# Altium PCB TIDA-01576_ADS8686S_ISO_Interface.PcbDoc (part 2 of 4) (continued)
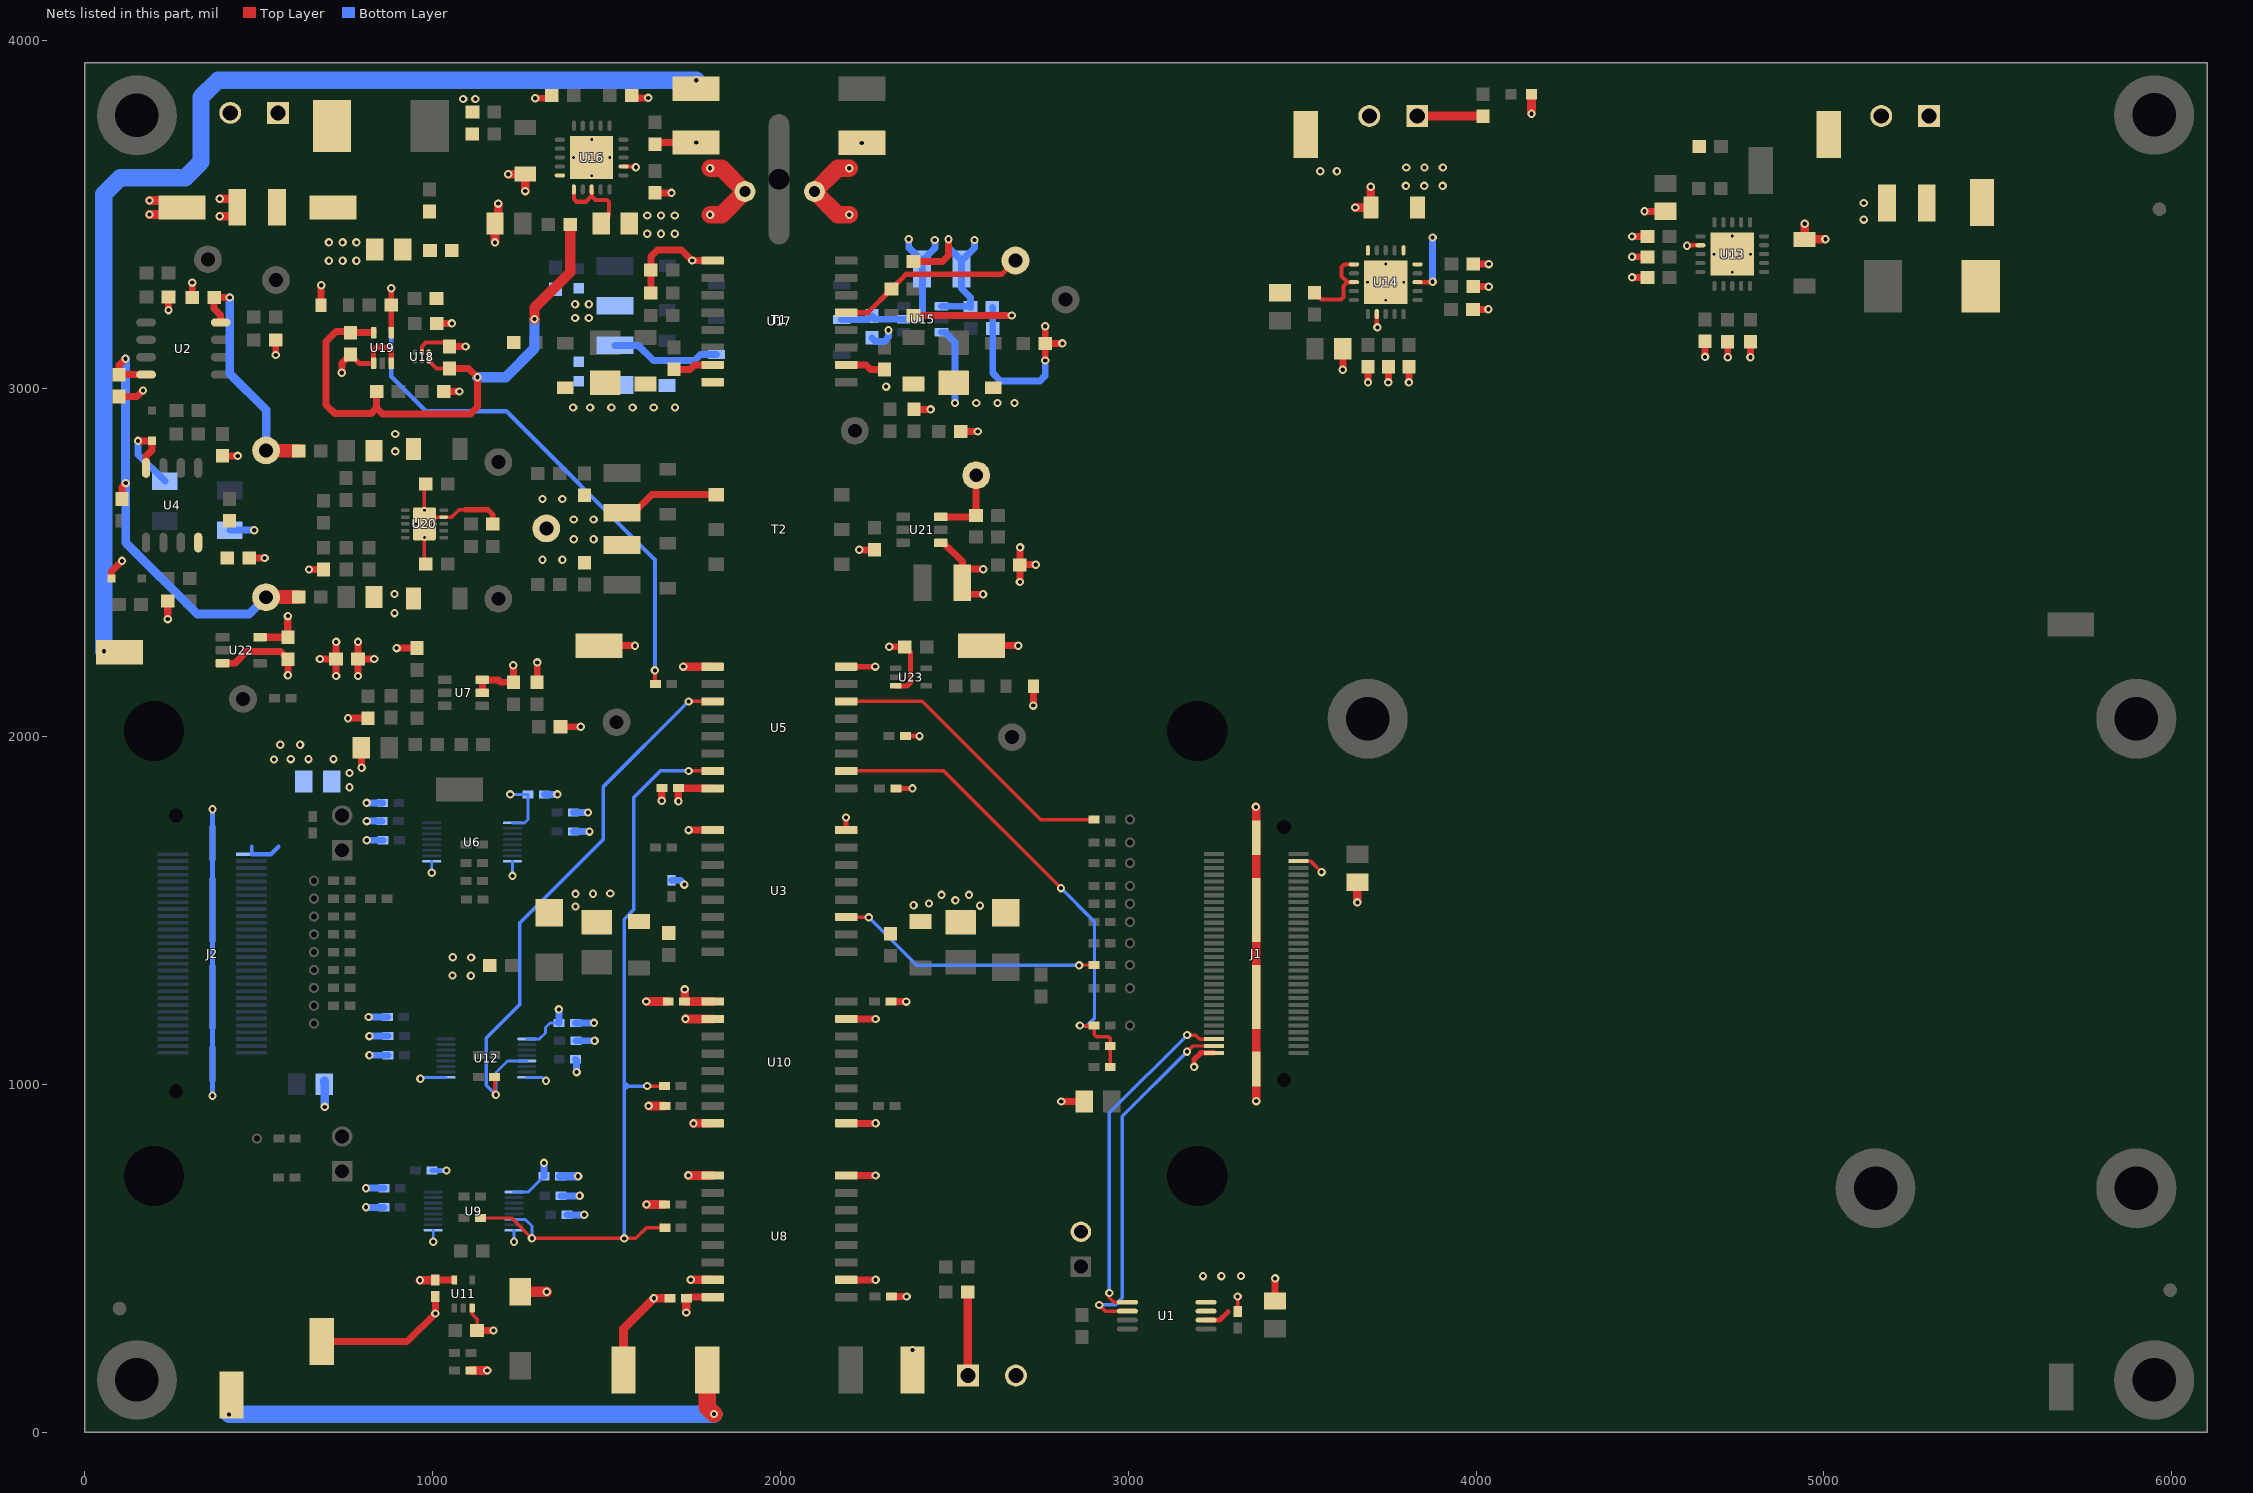
[diagram p4: the nets of this part, all layers, seen from the top]
## Part data (continued)
D12 D13: library part MBR0520LT1G, "Diode, Schottky, 20V, 0.5A, SOD-123", Manufacturer="Diodes Inc", Supplier Part Number 1=B0520LW-FDICT-ND, Value1=0.5A, Value2=0.385V, ComponentLink1Description="Datasheet link", ComponentLink1URL=http://www.onsemi.com/pub_link/Collateral/MBR0520LT1-D.PDF, CompType=Diode, Io_A=0.5, LatestRevisionDate=2013-12-18, MountType=SMT, PackageReference=SOD-123, PartNumber=B0520LW-7-F, Published=2008-06-26, Publisher="Texas Instruments", RJC_CperW=150, RoHS=Y, Supplier 1=Digi-Key, TJmax_C=125, Type=Schottky, U/M=EA, Vf_V=0.385, Vr_V=20
FID1 FID2 FID3 FID4 FID5 FID6: "Fiducial mark.  There is nothing to buy or mount.", Manufacturer=N/A, ClassName=FiducialMark, CompType=Fiducial, LatestRevisionDate=2015-06-01, LatestRevisionNote="Added Alternate PartNumber and Alternate Manufacturer parameters to appropriate components.", MountType=N/A, PackageReference=N/A, PartNumber=N/A, Publisher="Texas Instruments", SymbolCreator=codlsc, SymbolVersion=2009-11-4
H1 H2 H3 H4 H5 H6 H7 H8: "MACHINE SCREW PAN PHILLIPS 4-40", Manufacturer="B&F Fastener Supply", Supplier Part Number 1=H703-ND, ComponentLink1Description="Datasheet Link", ComponentLink1URL=http://www.fasnetdirect.com/refguide/Machinepancombo.pdf, CompType=Standoff, LatestRevisionDate=2015-08-24, MountType=TH, PackageReference="Machine Screw, 4-40, 1/4\"", PartNumber="PMSSS 440 0025 PH", Publisher="Texas Instruments", RoHS=Y, Supplier 1=Digi-Key, SymbolCreator=a0412235, SymbolVersion=2013-06-24
H9 H10 H11 H12: "3/16 Hex Female Standoff", Manufacturer=Keystone, Supplier Part Number 1=36-1891-ND, ComponentLink1Description="Datasheet Link", ComponentLink1URL=http://www.keyelco.com/product-pdf.cfm?p=4272, CompType=Standoff, LatestRevisionDate=2015-08-24, MountType=N/A, PackageReference="3/16 Hex Female Standoff", PartNumber=1891, Publisher="Texas Instruments", RoHS=Y, Supplier 1=Digi-Key, Supplier 2=Mouser, Supplier 3=Farnell, Supplier Part Number 2=534-1891, Supplier Part Number 3=1226570, SymbolCreator=a0412235, SymbolVersion=2013-06-24
H13 H14 H15 H16: "HEX STANDOFF 4-40 ALUMINUM 1/2\"", Manufacturer=Keystone, Supplier Part Number 1=36-1893-ND, ComponentLink1Description="Datasheet Link", ComponentLink1URL=http://keyelco.com/userAssets/file/M65p75.pdf, CompType=Standoff, LatestRevisionDate=2017-05-23, MountType=N/A, PackageReference="4-40 HEX Aluminum standoff 0.500 inches", PartNumber=1893, Publisher="Texas Instruments", RoHS=Y, Supplier 1=Digi-Key, Supplier 2=Newark, Supplier 3=Mouser, Supplier Part Number 2=01M9948, Supplier Part Number 3=534-1893, SymbolCreator=a0412235, SymbolVersion=2013-06-24
H21 H22 H23 H24: "ROUND STANDOFF M3 STEEL 5MM", Manufacturer="Wurth Elektronik", Supplier Part Number 1=732-5272-1-ND, ComponentLink1Description="Datasheet Link", ComponentLink1URL=http://katalog.we-online.de/em/datasheet/9774050360R.pdf, CompType=Standoff, LatestRevisionDate=2015-08-24, MountType=SMT, PackageReference="ROUND STANDOFF M3 STEEL 5MM", PartNumber=9774050360R, Publisher="Texas Instruments", RoHS=Y, Supplier 1=Digi-Key, Supplier 2=Mouser, Supplier 3=Farnell, Supplier Part Number 2=710-9774050360R, Supplier Part Number 3=2438004, SymbolCreator=a0412235, SymbolVersion=2013-06-24
J1: library part QTH-030-01-L-D-A, "Header(Shrouded), 19.7mil, 30x2, Gold, SMT", Manufacturer=Samtec, Supplier Part Number 1=SAM8185-ND, ComponentLink1Description="Datasheet Link", ComponentLink1URL=https://www.samtec.com/ftppub/cpdf/QTH-XXX-XX-X-D-XXX-MKT.pdf, CompType=Header, LatestRevisionDate=2015-07-08, MountType=SMT, PackageReference="Header (Shrouded), 19.7mil, 30x2, SMT", PartNumber=QTH-030-03-L-D-A, Publisher="Texas Instruments", RoHS=Y, Supplier 1=Digi-Key, SymbolCreator=Altium, SymbolVersion=2015-05-13, U/M=EA
J2: "Receptacle, 0.5 mm, 30x2, Gold, TH", Color=Black, Manufacturer=Samtec, Supplier Part Number 1=SAM8180-ND, ComponentLink1Description="Datasheet URL", ComponentLink1URL=http://www.samtec.com/ftppub/cpdf/QSH-XXX-01-X-D-XX-MKT.pdf, CompType=Receptacle, ContactFinish=Gold, Gender=Female, LatestRevisionDate=2017-04-12, MountType=SMT, Orientation=Vertical, PackageReference="Receptacle, 0.5 mm, 30x2, TH", PartNumber=QSH-030-01-L-D-A, PinCount=60, Pitch_mm=0.5, Publisher="Texas Instruments", RoHS=Y, Row_Count=2, RowSpacing_mm=5.73, Shrouded=N, Supplier 1=Digi-Key, Supplier 2=Newark, Supplier 3=Farnell, Supplier Part Number 2=19M9181, Supplier Part Number 3=1667876, SymbolCreator=Altium, SymbolVersion=2015-03-06
J3: "Header, 100mil, 2x1, Tin, TH", Color=Black, Current_A=3, Manufacturer="Sullins Connector Solutions", Supplier Part Number 1=S1012E-02-ND, Voltage_V=1800, Cert_UL=Y, ClassName=Header, ComponentLink1Description="Datasheet URL", ComponentLink1URL=http://www.sullinscorp.com/catalogs/77_PAGE108-109_.100_MALE_HDR.pdf, CompType=Header, ContactFinish=Tin, Gender=Male, Green_EU RoHS=Incomplete, Green_EU RoHS-2=Incomplete, Green_Lifecycle="Not Set", Green_REACh=Incomplete, LatestRevisionDate=2017-05-15, MountType=TH, Orientation=Vertical, PackageReference="Header, 2 PIN, 100mil, Tin", PartNumber=PEC02SAAN, PinCount=2, Pitch_mm=2.54, Publisher="Texas Instruments", RoHS=Y, Row_Count=1, Shrouded=N, Supplier 1=Digi-Key, SymbolCreator=a0412235, SymbolVersion=2013-10-31
J4 J5 J6 J7: library part CMP-0055341-1, "Terminal Block, 3.5 mm, 2x1, Tin, TH", Manufacturer=Molex, Supplier Part Number 1=WM7877-ND, CNHeader=FALSE, ComponentLink1Description="Datasheet URL", ComponentLink1URL=http://www.molex.com/pdm_docs/sd/393570002_sd.pdf, CompType="Terminal Block", CT=TRUE, Green_EU RoHS=Incomplete, Green_EU RoHS-2=Incomplete, Green_Lifecycle="Not Set", Green_REACh=Incomplete, LatestRevisionDate=26/05/2017, MountType=TH, PackageReference="Terminal Block, 3.5 mm, 2x1, TH", PartNumber=39357-0002, Publisher="Texas Instruments", RoHS=Y, Supplier 1=Digi-Key, Supplier 2=Newark, Supplier 3=Mouser, Supplier Part Number 2=72K2104, Supplier Part Number 3=538-39357-0002
J8 J9: library part CMP-0002337-1, "Header, 100mil, 2x1, Tin, TH", Color=Black, Current_A=3A, Manufacturer="Sullins Connector Solutions", Supplier Part Number 1=S1012E-02-ND, Voltage_V=1.8kV, Cert_UL=Y, ClassName=Header, CNHeader=TRUE, ComponentLink1Description="Datasheet URL", ComponentLink1URL=http://www.sullinscorp.com/catalogs/77_PAGE108-109_.100_MALE_HDR.pdf, CompType=Header, ContactFinish=Tin, CT=FALSE, Gender=Male, Green_EU RoHS=Incomplete, Green_EU RoHS-2=Incomplete, Green_Lifecycle="Not Set", Green_REACh=Incomplete, LatestRevisionDate=26/05/2017, MountType=TH, Orientation=Vertical, PackageReference="Header, 2 PIN, 100mil, Tin", PartNumber=PEC02SAAN, PinCount=2, Pitch_mm=2.54, Publisher="Texas Instruments", RoHS=Y, Row_Count=1, Shrouded=N, Supplier 1=Digi-Key
LBL1: library part THT-14-423-10, "Thermal Transfer Printable Labels, 0.650\" W x 0.200\" H - 10,000 per roll", Alternate Manufacturer=-, Manufacturer=Brady, Supplier Part Number 1=2065596, Alternate PartNumber=-, ClassName=Label, ComponentLink1Description="Web Page", ComponentLink1URL=http://www.bradyid.com/bradyid/pdpv/THT-14-423-10.html, CompType=Label, LatestRevisionDate=2012-07-31, LatestRevisionNote="Initial Version", MountType=N/A, Note="Size: 0.65\" x 0.20 \"", PackageReference="PCB Label 0.650\"H x 0.200\"W", PartNumber=THT-14-423-10, Publisher="Texas Instruments", RoHS=Y, Supplier 1=Farnell, Supplier 2=Newark, Supplier Part Number 2=97C5133, SymbolCreator=a0412235, SymbolVersion=2012-06-12
LED1: library part CMP-0080580-2, "LED, Green, SMD", Color=Green, Manufacturer=Lite-On, Power_TotalModule=76mW, Value1=0.076W, Value2=2.8V, Angle=130, ComponentLink1Description="Datasheet link", ComponentLink1URL=https://sps16.itg.ti.com/sites/KMS/crossdivteams/altium/docs/ComponentDatasheets/LTST-C193TGKT-5A.pdf, CompType=LED, Io_A=5mA, Ir_A=10µA, MountType=SMT, PackageReference=Body1.6x0.8mm, PartNumber=LTST-C193TGKT-5A, RoHS=Y, SizeArea_mm2=1.28, SizeAreaWB_mm2=4.68, SizeX_mm=1.6, SizeY_mm=0.8, SizeZ_mm=0.45, TJmax_C=80°C, Type=InGaN, Vf_V=2.8V, Vr_V=5V
Logo2: library part Pb-Free, LatestRevisionDate=2014-08-05, Published=2009-03-03, Publisher="Texas Instruments", SymbolCreator=a0412235, SymbolVersion=2011-08-22
Logo3: library part FCC_disclaimer, "FCC_disclaimer", LatestRevisionDate=2014-11-20, Published=2009-03-03, Publisher="Texas Instruments", SymbolCreator=codlsc, SymbolVersion=2011-08-22
Logo4: library part CMP-0074769-1, Lib Reference="WEEE logo", PartNumber="WEEE logo"
Logo5: library part ESD_Susceptible, "ESD Susceptible Symbol", LatestRevisionDate=2016-03-21, Published=2009-03-03, Publisher="Texas Instruments", SymbolCreator=a0412235, SymbolVersion=2011-08-22
R1 R43 R44 R46 R47 R51 R52 R53 R54 R56 R59 R60 R61 R62 R63 R64: "RES, 10.0 k, 1%, 0.1 W, 0402", Manufacturer=Panasonic, Power_W=0.1, Supplier Part Number 1=P10.0KLCT-ND, TempCo="100 ppm/C", Tolerance_%=1, Value1=1%, Value2=0.1W, Value_Code=10k0, ValueDisplayed=10.0k, AEC Category=Q200, AEC Qualified=?, ComponentLink1Description="Datasheet link", ComponentLink1URL=http://industrial.panasonic.com/www-data/pdf/AOA0000/AOA0000CE2.pdf, CompType=Resistor, EIA_Code=E96, MountType=SMT, PackageReference=0402, PartNumber=ERJ-2RKF1002X, Published=2008-06-26, Publisher="Texas Instruments", Res_ohm=10000, RoHS=Y, Supplier 1=Digi-Key, Supplier 2=Mouser, Supplier Part Number 2=667-ERJ-2RKF1002X, SymbolVersion=2009-05-29, Technology="Thick Film", U/M=EA, VDC_V=50
  R1 R43 R44 R46 R47 R51 R52 R53 R54 R59 R60 R61 R62 R63 R64: LatestRevisionDate=2015-10-23
  R56: LatestRevisionDate=2015-08-22
R2 R35: library part CMP-0026658-1, "RES, 10.0 k, 1%, 0.1 W, 0402", Manufacturer=Panasonic, Power_W=100mW, Supplier Part Number 1=P10.0KLCT-ND, TempCo="100 ppm/C", Tolerance_%=1%, Value2=0.1W, Value_Code=10k0, ValueDisplayed=10.0k, AEC Category=Q200, AEC Qualified=?, ComponentLink1Description="Datasheet link", ComponentLink1URL=http://industrial.panasonic.com/www-data/pdf/AOA0000/AOA0000CE2.pdf, CompType=Resistor, EIA_Code=E96, LatestRevisionDate=2017-03-09, MountType=SMT, PackageReference=0402, PartNumber=ERJ-2RKF1002X, Published=2008-06-26, Publisher="Texas Instruments", Res_ohm=10k, RoHS=Y, SizeArea_mm2=0.5, SizeX_mm=1, SizeY_mm=0.5, SizeZ_mm=0.6, Supplier 1=Digi-Key, Supplier 2=Newark, Supplier 3=Mouser, Supplier Part Number 2=90W2949, Supplier Part Number 3=667-ERJ-2RKF1002X, Technology="Thick Film", U/M=EA, Value1=1%, VDC_V=50V
R3 R4 R5 R6 R7 R9 R10 R11 R12 R14 R15 R16 R17 R18 R19 R20 R21 R22 R28 R29 R30 R31 R32 R33 R34 R49 R57 R67 R97 R98 R132 R133 R135: "RES, 0, 5%, 0.063 W, 0402", Manufacturer=Panasonic, Power_W=0.063, Supplier Part Number 1=P0.0JCT-ND, TempCo="600 ppm/C", Tolerance_%=5, Value1=5%, Value2=0.063W, Value_Code=0000, ValueDisplayed=0, AEC Category=Q200, AEC Qualified=?, ComponentLink1Description="Datasheet link", ComponentLink1URL=http://www.panasonic.com/industrial/components/pdf/AOA0000CE1.pdf, CompType=Resistor, EIA_Code=E24, LatestRevisionDate=2015-10-23, MountType=SMT, PackageReference=0402, PartNumber=ERJ-2GE0R00X, Published=2008-06-26, Publisher="Texas Instruments", Res_ohm=0, RoHS=Y, Supplier 1=Digi-Key, Supplier 2=Mouser, Supplier 3=Farnell, Supplier Part Number 2=667-ERJ-2GE0R00X, Supplier Part Number 3=2059190, SymbolVersion=2009-05-29, Technology="Thick Film", U/M=EA, VDC_V=50
R8 R84: "RES, 1.00Meg ohm, 1%, 0.1W, 0603", Manufacturer=Vishay-Dale, Power_W=0.1, Supplier Part Number 1=541-1.00MHCT-ND, TempCo="100 ppm/C", Tolerance_%=1, Value1=1%, Value2=0.1W, Value_Code=1M00, ComponentLink1Description="Datasheet link", ComponentLink1URL=http://www.vishay.com/docs/20035/dcrcwe3.pdf, CompType=Resistor, EIA_Code=E96, LatestRevisionDate=2014-03-01, MountType=SMT, PackageReference=0603, PartNumber=CRCW06031M00FKEA, Published=2008-06-26, Publisher="Texas Instruments", Res_ohm=1000000, RoHS=Y, Supplier 1=Digi-Key, Supplier 2=Mouser, Supplier 3=Farnell, Supplier Part Number 2=71-CRCW0603-1.0M-E3, Supplier Part Number 3=1469746, SymbolVersion=2009-05-29, Technology="Thick Film", U/M=EA, VDC_V=75
R13 R85 R107 R111: "RES, 100 k, 1%, 0.1 W, 0603", Manufacturer="Yageo America", Power_W=0.1, Supplier Part Number 1=311-100KHRCT-ND, TempCo="200 ppm/C", Tolerance_%=1, Value1=1%, Value2=0.1W, Value_Code=100k, AEC Category=Q200, AEC Qualified=?, ComponentLink1Description="Datasheet link", ComponentLink1URL=http://www.yageo.com/pdf/Pu-RC0603_51_PbFree_L_2.pdf, CompType=Resistor, EIA_Code=E96, MountType=SMT, PackageReference=0603, PartNumber=RC0603FR-07100KL, Published=2008-06-26, Publisher="Texas Instruments", Res_ohm=100000, RoHS=Y, Supplier 1=Digi-Key, Supplier 2=Mouser, Supplier 3=Farnell, Supplier Part Number 2=603-RC0603FR-07100KL, Supplier Part Number 3=9238727, SymbolVersion=2009-05-29, Technology="Thick Film", U/M=EA, ValueDisplayed=100k, VDC_V=150
  R13 R85 R107: LatestRevisionDate=2015-10-07
  R111: Green_EU RoHS="Passed with Exemption", Green_EU RoHS-2=Passed, Green_Lifecycle=Active, Green_REACh=Passed, LatestRevisionDate=2017-06-13, SizeArea_mm2=1.28, SizeX_mm=1.6, SizeY_mm=0.8, SizeZ_mm=1
R23: "RES, 10.0 k, 1%, 0.1 W, 0603", Manufacturer=Vishay-Dale, Power_W=0.1, Supplier Part Number 1=541-10.0KHCT-ND, TempCo="100 ppm/C", Tolerance_%=1, Value1=1%, Value2=0.1W, Value_Code=10k0, ValueDisplayed=10.0k, ComponentLink1Description="Datasheet link", ComponentLink1URL=http://www.vishay.com/docs/20035/dcrcwe3.pdf, CompType=Resistor, EIA_Code=E96, LatestRevisionDate=2015-06-13, MountType=SMT, PackageReference=0603, PartNumber=CRCW060310K0FKEA, Published=2008-06-26, Publisher="Texas Instruments", Res_ohm=10000, RoHS=Y, Supplier 1=Digi-Key, Supplier 2=Mouser, Supplier 3=Farnell, Supplier Part Number 2=71-CRCW0603-10K-E3, Supplier Part Number 3=1469748, SymbolVersion=2009-05-29, Technology="Thick Film", U/M=EA, VDC_V=75
R24 R25 R39 R40 R42 R65 R66 R99 R101 R102 R104 R113 R114 R117 R118 R123 R124 R126 R127 R128 R129 R130 R131 R134: "RES, 0, 5%, 0.1 W, 0603", Manufacturer=Vishay-Dale, Power_W=0.1, Supplier Part Number 1=541-0.0GCT-ND, TempCo="200 ppm/C", Tolerance_%=5, Value1=5%, Value2=0.1W, Value_Code=0000, ValueDisplayed=0, ComponentLink1Description="Datasheet link", ComponentLink1URL=http://www.vishay.com/docs/20035/dcrcwe3.pdf, CompType=Resistor, EIA_Code=E24, MountType=SMT, PackageReference=0603, PartNumber=CRCW06030000Z0EA, Published=2008-06-26, Publisher="Texas Instruments", Res_ohm=0, RoHS=Y, Supplier 1=Digi-Key, Supplier 2=Mouser, Supplier 3=Farnell, Supplier Part Number 2=71-CRCW0603-0-E3, Supplier Part Number 3=1469739, SymbolVersion=2009-05-29, Technology="Thick Film", U/M=EA, VDC_V=75
  R24 R25 R40 R42 R65 R66 R99 R101 R102 R104 R113 R114 R127 R128 R129 R130 R131: LatestRevisionDate=2014-10-21
  R39: LatestRevisionDate=2015-03-06
  R117 R118 R123 R124 R126 R134: LatestRevisionDate=2014-12-16
R26 R86 R108 R112: "RES, 10.0k ohm, 1%, 0.1W, 0603", Manufacturer=Vishay-Dale, Power_W=0.1, Supplier Part Number 1=541-10.0KHCT-ND, TempCo="100 ppm/C", Tolerance_%=1, Value1=1%, Value2=0.1W, Value_Code=10k0, ComponentLink1Description="Datasheet link", ComponentLink1URL=http://www.vishay.com/docs/20035/dcrcwe3.pdf, CompType=Resistor, EIA_Code=E96, LatestRevisionDate=2013-10-22, MountType=SMT, PackageReference=0603, PartNumber=CRCW060310K0FKEA, Published=2008-06-26, Publisher="Texas Instruments", Res_ohm=10000, RoHS=Y, Supplier 1=Digi-Key, Supplier 2=Mouser, Supplier 3=Farnell, Supplier Part Number 2=71-CRCW0603-10K-E3, Supplier Part Number 3=1469748, SymbolVersion=2009-05-29, Technology="Thick Film", U/M=EA, VDC_V=75
R27 R87: library part RNCF0603TKY10K0, "RES, 10.0k ohm, 1%, 0.1W, 0603", Manufacturer="Stackpole Electronics Inc", Power_W=0.063, Supplier Part Number 1=541-10.0KHCT-ND, TempCo="5 ppm/C", Tolerance_%=0.01, Value1=0.01%, Value2=0.063W, Value_Code=10k0, ComponentLink1Description="Datasheet link", ComponentLink1URL=http://www.seielect.com/Catalog/SEI-RNCF.pdf, CompType=Resistor, LatestRevisionDate=2013-10-22, MountType=SMT, PackageReference=0603, PartNumber=CRCW060310K0FKEA, Published=2008-06-26, Publisher="Texas Instruments", Res_ohm=10000, RoHS=Y, Supplier 1=Digi-Key, SymbolVersion=2009-05-29, Technology="Thin Film", U/M=EA, VDC_V=50
R36: library part CMP-0026657-1, "RES, 1.00 k, 1%, 0.1 W, 0402", Manufacturer=Panasonic, Power_W=100mW, Supplier Part Number 1=P1.00KLCT-ND, TempCo="100 ppm/C", Tolerance_%=1%, Value2=0.1W, Value_Code=1k00, ValueDisplayed=1.00k, AEC Category=Q200, AEC Qualified=?, ComponentLink1Description="Datasheet link", ComponentLink1URL=http://industrial.panasonic.com/www-data/pdf/AOA0000/AOA0000CE2.pdf, CompType=Resistor, EIA_Code=E96, LatestRevisionDate=2017-03-09, MountType=SMT, PackageReference=0402, PartNumber=ERJ-2RKF1001X, Published=2008-06-26, Publisher="Texas Instruments", Res_ohm=1k, RoHS=Y, SizeArea_mm2=0.5, SizeX_mm=1, SizeY_mm=0.5, SizeZ_mm=0.6, Supplier 1=Digi-Key, Supplier 2=Newark, Supplier 3=Mouser, Supplier Part Number 2=64R5247, Supplier Part Number 3=667-ERJ-2RKF1001X, Technology="Thick Film", U/M=EA, Value1=1%, VDC_V=50V
R37 R38 R50 R58: library part CMP-0026992-3, "RES, 0, 5%, 0.1 W, AEC-Q200 Grade 0, 0402", Manufacturer=Panasonic, Power_W=100mW, Supplier Part Number 1=P0.0JCT-ND, TempCo="600 ppm/C", Tolerance_%=5%, Value2=0.1W, Value_Code=0000, ValueDisplayed=0, AEC Category=Q200, AEC Grade=0, AEC Qualified=Y, ComponentLink1Description="Datasheet link", ComponentLink1URL=https://industrial.panasonic.com/cdbs/www-data/pdf/RDA0000/AOA0000C301.pdf, CompType=Resistor, EIA_Code=E24, MountType=SMT, PackageReference=0402, PartNumber=ERJ-2GE0R00X, Res_ohm=0, RoHS=Y, SizeArea_mm2=0.5, SizeAreaWB_mm2=3, SizeX_mm=1, SizeY_mm=0.5, SizeZ_mm=0.6, Supplier 1=Digi-Key, Supplier 2=Newark, Supplier 3=Mouser, Supplier Part Number 2=65T8307, Supplier Part Number 3=667-ERJ-2GE0R00X, Technology="Thick Film", Value1=5%, VDC_V=50V
R41: "RES, 10.0, 0.1%, 0.1 W, 0603", Manufacturer=Bourns, Power_W=0.1, Supplier Part Number 1=CRT0603-BY-10R0ELFCT-ND, TempCo="25 ppm/C", Value1=0.1%, Value2=0.1W, Value_Code=10R0, ValueDisplayed=10.0, AEC Category=Q200, AEC Grade=N/A, AEC Qualified=N, ComponentLink1Description="Datasheet link", ComponentLink1URL=http://www.bourns.com/docs/Product-Datasheets/crt.pdf, CompType=Resistor, EIA_Code=E192, LatestRevisionDate=2016-10-13, MountType=SMT, PackageReference=0603, PartNumber=CRT0603-BY-10R0ELF, Published=2008-06-26, Publisher="Texas Instruments", Res_ohm=10, RoHS=Y, SizeArea_mm2=1.28, SizeX_mm=1.6, SizeY_mm=0.8, SizeZ_mm=1, Supplier 1=Digi-Key, Supplier 2=Mouser, Supplier 3=Farnell, Supplier Part Number 2=652-CRT0603BY10R0ELF, Supplier Part Number 3=2008309, SymbolVersion=2009-05-29, Technology="Thin Film", Tolerance_%=0.1, U/M=EA
R45: "RES, 51.1 k, 1%, 0.1 W, 0603", Manufacturer=Vishay-Dale, Power_W=0.1, Supplier Part Number 1=541-51.1KHCT-ND, TempCo="100 ppm/C", Tolerance_%=1, Value1=1%, Value2=0.1W, Value_Code=51k1, ValueDisplayed=51.1k, AEC Category=Q200, AEC Qualified=?, ComponentLink1Description="Datasheet link", ComponentLink1URL=http://www.vishay.com/docs/20035/dcrcwe3.pdf, CompType=Resistor, EIA_Code=E96, LatestRevisionDate=2016-10-13, MountType=SMT, PackageReference=0603, PartNumber=CRCW060351K1FKEA, Published=2008-06-26, Publisher="Texas Instruments", Res_ohm=51100, RoHS=Y, SizeArea_mm2=1.28, SizeX_mm=1.6, SizeY_mm=0.8, SizeZ_mm=1, Supplier 1=Digi-Key, Supplier 2=Mouser, Supplier 3=Farnell, Supplier Part Number 2=71-CRCW0603-51.1K-E3, Supplier Part Number 3=1469825, SymbolVersion=2009-05-29, Technology="Thick Film", U/M=EA, VDC_V=75
R48: "RES, 30.1 k, 1%, 0.1 W, 0603", Manufacturer=Vishay-Dale, Power_W=0.1, Supplier Part Number 1=541-30.1KHCT-ND, TempCo="100 ppm/C", Tolerance_%=1, Value1=1%, Value2=0.1W, Value_Code=30k1, ValueDisplayed=30.1k, AEC Category=Q200, AEC Qualified=?, ComponentLink1Description="Datasheet link", ComponentLink1URL=http://www.vishay.com/docs/20035/dcrcwe3.pdf, CompType=Resistor, EIA_Code=E96, LatestRevisionDate=2016-10-13, MountType=SMT, PackageReference=0603, PartNumber=CRCW060330K1FKEA, Published=2008-06-26, Publisher="Texas Instruments", Res_ohm=30100, RoHS=Y, SizeArea_mm2=1.28, SizeX_mm=1.6, SizeY_mm=0.8, SizeZ_mm=1, Supplier 1=Digi-Key, Supplier 2=Mouser, Supplier 3=Farnell, Supplier Part Number 2=71-CRCW0603-30.1K-E3, Supplier Part Number 3=1469798, SymbolVersion=2009-05-29, Technology="Thick Film", U/M=EA, VDC_V=75
R55: "RES, 100 k, 1%, 0.063 W, 0402", Manufacturer=Vishay-Dale, Power_W=0.063, Supplier Part Number 1=541-100KLCT-ND, TempCo="100 ppm/C", Tolerance_%=1, Value1=1%, Value2=0.063W, Value_Code=100k, AEC Category=Q200, AEC Qualified=?, ComponentLink1Description="Datasheet link", ComponentLink1URL=http://www.vishay.com/docs/20035/dcrcwe3.pdf, CompType=Resistor, EIA_Code=E96, LatestRevisionDate=2015-08-22, MountType=SMT, PackageReference=0402, PartNumber=CRCW0402100KFKED, Published=2008-06-26, Publisher="Texas Instruments", Res_ohm=100000, RoHS=Y, Supplier 1=Digi-Key, Supplier 2=Mouser, Supplier 3=Farnell, Supplier Part Number 2=71-CRCW0402-100K-E3, Supplier Part Number 3=1469671, SymbolVersion=2009-05-29, Technology="Thick Film", U/M=EA, ValueDisplayed=100k, VDC_V=50
R68 R69 R70 R71 R72 R74 R75 R76 R77 R78 R89 R90 R91 R96: library part CMP-0025697-1, "RES, 0, 5%, 0.1 W, 0603", Manufacturer=Vishay-Dale, Power_W=100mW, Supplier Part Number 1=541-0.0GCT-ND, TempCo="200 ppm/C", Tolerance_%=5%, Value2=0.1W, Value_Code=0000, ValueDisplayed=0, AEC Category=Q200, AEC Qualified=?, ComponentLink1Description="Datasheet link", ComponentLink1URL=http://www.vishay.com/docs/20035/dcrcwe3.pdf, CompType=Resistor, EIA_Code=E24, LatestRevisionDate=2017-03-09, MountType=SMT, PackageReference=0603, PartNumber=CRCW06030000Z0EA, Published=2008-06-26, Publisher="Texas Instruments", Res_ohm=0, RoHS=Y, SizeArea_mm2=1.28, SizeX_mm=1.6, SizeY_mm=0.8, SizeZ_mm=1, Supplier 1=Digi-Key, Supplier 2=Newark, Supplier 3=Mouser, Supplier Part Number 2=52K8014, Supplier Part Number 3=71-CRCW0603-0-E3, Technology="Thick Film", U/M=EA, Value1=5%, VDC_V=75V
R73 R79 R92: library part CMP-0022721-1, "RES, 0.1, 1%, 0.1 W, 0603", Manufacturer=Panasonic, Power_W=100mW, Supplier Part Number 1=P.10AJCT-ND, TempCo="300 ppm/C", Tolerance_%=1%, Value2=0.1W, Value_Code=R100, ValueDisplayed=0.1, AEC Category=Q200, AEC Qualified=?, ComponentLink1Description="Datasheet link", ComponentLink1URL=http://www.panasonic.com/industrial/components/pdf/AOA0000CE3.pdf, CompType=Resistor, EIA_Code=E96, LatestRevisionDate=2017-03-09, MountType=SMT, PackageReference=0603, PartNumber=ERJ-3RSFR10V, Published=2008-06-26, Publisher="Texas Instruments", Res_ohm=0.1, RoHS=Y, SizeArea_mm2=1.28, SizeX_mm=1.6, SizeY_mm=0.8, SizeZ_mm=1, Supplier 1=Digi-Key, Supplier 2=Mouser, Supplier 3=Farnell, Supplier Part Number 2=667-ERJ-3RSFR10V, Supplier Part Number 3=1717759, Technology="Thick Film", U/M=EA, Value1=1%
R80 R93 R94: library part CMP-0079631-1, "RES, 0.005, 1%, 0.5 W, AEC-Q200 Grade 1, 0805", Manufacturer=Panasonic, Power_W=500mW, Supplier Part Number 1=P19183CT-ND, TempCo="300 ppm/C", Tolerance_%=1%, Value2=0.5W, Value_Code=5L000, ValueDisplayed=0.005, AEC Category=Q200, AEC Grade=1, AEC Qualified=Y, ComponentLink1Description="Datasheet link", ComponentLink1URL=https://industrial.panasonic.com/cdbs/www-data/pdf/RDN0000/AOA0000C313.pdf, CompType=Resistor, EIA_Code=E96, MountType=SMT, PackageReference=0805, PartNumber=ERJ6LWFR005V, Res_ohm=5m, RoHS=Y, SizeArea_mm2=2.5, SizeAreaWB_mm2=6.75, SizeX_mm=2, SizeY_mm=1.25, SizeZ_mm=1.45, Supplier 1=Digi-Key, Supplier 2=Mouser, Supplier Part Number 2=667-ERJ-6LWFR005V, Technology="Thick Film", Value1=1%
R81 R110 R115 R136: "RES, 1.0 k, 5%, 0.1 W, 0603", Manufacturer="Yageo America", Power_W=0.1, Supplier Part Number 1=311-1.0KGRCT-ND, TempCo="100 ppm/C", Tolerance_%=5, Value1=5%, Value2=0.1W, Value_Code=1k00, ValueDisplayed=1.0k, AEC Category=Q200, AEC Qualified=?, ComponentLink1Description="Datasheet link", ComponentLink1URL=http://www.yageo.com/pdf/Pu-RC0603_51_PbFree_L_2.pdf, CompType=Resistor, EIA_Code=E24, Green_EU RoHS="Passed with Exemption", Green_EU RoHS-2=Passed, Green_Lifecycle=Active, Green_REACh=Passed, LatestRevisionDate=2017-06-13, MountType=SMT, PackageReference=0603, PartNumber=RC0603JR-071KL, Published=2008-06-26, Publisher="Texas Instruments", Res_ohm=1000, RoHS=Y, SizeArea_mm2=1.28, SizeX_mm=1.6, SizeY_mm=0.8, SizeZ_mm=1, Supplier 1=Digi-Key, Supplier 2=Mouser, Supplier 3=Farnell, Supplier Part Number 2=603-RC0603JR-071KL, Supplier Part Number 3=9233385, SymbolVersion=2009-05-29, Technology="Thick Film", U/M=EA, VDC_V=50
R82 R88: "RES, 100 ohm, 1%, 0.1W, 0603", Manufacturer=Vishay-Dale, Power_W=0.1, Supplier Part Number 1=541-100HCT-ND, TempCo="100 ppm/C", Tolerance_%=1, Value1=1%, Value2=0.1W, Value_Code=100R, ComponentLink1Description="Datasheet link", ComponentLink1URL=http://www.vishay.com/docs/20035/dcrcwe3.pdf, CompType=Resistor, EIA_Code=E96, LatestRevisionDate=2013-10-22, MountType=SMT, PackageReference=0603, PartNumber=CRCW0603100RFKEA, Published=2008-06-26, Publisher="Texas Instruments", Res_ohm=100, RoHS=Y, Supplier 1=Digi-Key, Supplier 2=Mouser, Supplier 3=Farnell, Supplier Part Number 2=71-CRCW0603-100-E3, Supplier Part Number 3=1469752, SymbolVersion=2009-05-29, Technology="Thick Film", U/M=EA, VDC_V=75
R83 R95: "RES, 470, 1%, 0.25 W, 1206", Manufacturer="Yageo America", Power_W=0.25, Supplier Part Number 1=311-470FRCT-ND, TempCo="100 ppm/C", Tolerance_%=1, Value1=1%, Value2=0.25W, Value_Code=470R, ValueDisplayed=470, AEC Category=Q200, AEC Qualified=?, ComponentLink1Description="Datasheet link", ComponentLink1URL=http://www.yageo.com/pdf/Pu-RC1206_51_PbFree_L_2.pdf, CompType=Resistor, LatestRevisionDate=2017-06-12, MountType=SMT, PackageReference=1206, PartNumber=RC1206FR-07470RL, Published=2008-06-26, Publisher="Texas Instruments", Res_ohm=470, RoHS=Y, SizeArea_mm2=5.12, SizeX_mm=3.2, SizeY_mm=1.6, SizeZ_mm=1.35, Supplier 1=Digi-Key, Supplier 2=Mouser, Supplier 3=Farnell, Supplier Part Number 2=603-RC1206FR-07470RL, Supplier Part Number 3=9240926, SymbolVersion=2009-05-29, Technology="Thick Film", U/M=EA, VDC_V=200
R100 R116 R119: "RES, 0 ohm, 5%, 0.1W, 0603", Manufacturer=Vishay-Dale, Power_W=0.1, Supplier Part Number 1=541-0.0GCT-ND, TempCo="200 ppm/C", Tolerance_%=5, Value1=5%, Value2=0.1W, Value_Code=0000, ComponentLink1Description="Datasheet link", ComponentLink1URL=http://www.vishay.com/docs/20035/dcrcwe3.pdf, CompType=Resistor, EIA_Code=E24, LatestRevisionDate=2014-05-20, MountType=SMT, PackageReference=0603, PartNumber=CRCW06030000Z0EA, Published=2008-06-26, Publisher="Texas Instruments", Res_ohm=0, RoHS=Y, Supplier 1=Digi-Key, Supplier 2=Mouser, Supplier 3=Farnell, Supplier Part Number 2=71-CRCW0603-0-E3, Supplier Part Number 3=1469739, SymbolVersion=2009-05-29, Technology="Thick Film", U/M=EA, VDC_V=75
R103 R105 R109: "RES, 47 k, 5%, 0.1 W, 0603", Manufacturer="Yageo America", Power_W=0.1, Supplier Part Number 1=311-47KGRCT-ND, TempCo="100 ppm/C", Tolerance_%=5, Value1=5%, Value2=0.1W, Value_Code=47k0, ValueDisplayed=47k, ComponentLink1Description="Datasheet link", ComponentLink1URL=http://www.yageo.com/pdf/Pu-RC0603_51_PbFree_L_2.pdf, CompType=Resistor, EIA_Code=E24, LatestRevisionDate=2014-12-16, MountType=SMT, PackageReference=0603, PartNumber=RC0603JR-0747KL, Published=2008-06-26, Publisher="Texas Instruments", Res_ohm=47000, RoHS=Y, Supplier 1=Digi-Key, Supplier 2=Mouser, Supplier 3=Farnell, Supplier Part Number 2=603-RC0603JR-0747KL, Supplier Part Number 3=9233580, SymbolVersion=2009-05-29, Technology="Thick Film", U/M=EA, VDC_V=50
R106: "RES, 82 k, 5%, 0.1 W, 0603", Manufacturer=Vishay-Dale, Power_W=0.1, Supplier Part Number 1=541-82KGCT-ND, TempCo="200 ppm/C", Tolerance_%=5, Value1=5%, Value2=0.1W, Value_Code=82k0, ValueDisplayed=82k, AEC Category=Q200, AEC Qualified=?, ComponentLink1Description="Datasheet link", ComponentLink1URL=http://www.vishay.com/docs/20035/dcrcwe3.pdf, CompType=Resistor, EIA_Code=E24, Green_EU RoHS="Passed with Exemption", Green_EU RoHS-2=Passed, Green_Lifecycle=Active, Green_REACh=Passed, LatestRevisionDate=2017-06-13, MountType=SMT, PackageReference=0603, PartNumber=CRCW060382K0JNEA, Published=2008-06-26, Publisher="Texas Instruments", Res_ohm=82000, RoHS=Y, SizeArea_mm2=1.28, SizeX_mm=1.6, SizeY_mm=0.8, SizeZ_mm=1, Supplier 1=Digi-Key, Supplier 2=Newark, Supplier 3=Mouser, Supplier Part Number 2=59M6838, Supplier Part Number 3=71-CRCW060382K0JNEA, SymbolVersion=2009-05-29, Technology="Thick Film", U/M=EA, VDC_V=75
R120 R121: "RES, 274 k, 1%, 0.1 W, 0603", Manufacturer=Vishay-Dale, Power_W=0.1, Supplier Part Number 1=541-274KHCT-ND, TempCo="100 ppm/C", Tolerance_%=1, Value1=1%, Value2=0.1W, Value_Code=274k, AEC Category=Q200, AEC Qualified=?, ComponentLink1Description="Datasheet link", ComponentLink1URL=http://www.vishay.com/docs/20035/dcrcwe3.pdf, CompType=Resistor, EIA_Code=E96, Green_EU RoHS="Passed with Exemption", Green_EU RoHS-2=Passed, Green_Lifecycle=Active, Green_REACh=Passed, LatestRevisionDate=2017-06-13, MountType=SMT, PackageReference=0603, PartNumber=CRCW0603274KFKEA, Published=2008-06-26, Publisher="Texas Instruments", Res_ohm=274000, RoHS=Y, SizeArea_mm2=1.28, SizeX_mm=1.6, SizeY_mm=0.8, SizeZ_mm=1, Supplier 1=Digi-Key, Supplier 2=Newark, Supplier 3=Mouser, Supplier Part Number 2=52K8353, Supplier Part Number 3=71-CRCW0603-274K-E3, SymbolVersion=2009-05-29, Technology="Thick Film", U/M=EA, ValueDisplayed=274k, VDC_V=75
R122: "RES, 31.6 k, 1%, 0.1 W, 0603", Manufacturer=Vishay-Dale, Power_W=0.1, Supplier Part Number 1=541-31.6KHCT-ND, TempCo="100 ppm/C", Tolerance_%=1, Value1=1%, Value2=0.1W, Value_Code=31k6, ValueDisplayed=31.6k, AEC Category=Q200, AEC Qualified=?, ComponentLink1Description="Datasheet link", ComponentLink1URL=http://www.vishay.com/docs/20035/dcrcwe3.pdf, CompType=Resistor, EIA_Code=E96, Green_EU RoHS="Passed with Exemption", Green_EU RoHS-2=Passed, Green_Lifecycle=Active, Green_REACh=Passed, LatestRevisionDate=2017-06-13, MountType=SMT, PackageReference=0603, PartNumber=CRCW060331K6FKEA, Published=2008-06-26, Publisher="Texas Instruments", Res_ohm=31600, RoHS=Y, SizeArea_mm2=1.28, SizeX_mm=1.6, SizeY_mm=0.8, SizeZ_mm=1, Supplier 1=Digi-Key, Supplier 2=Newark, Supplier 3=Mouser, Supplier Part Number 2=52K8416, Supplier Part Number 3=71-CRCW0603-31.6K-E3, SymbolVersion=2009-05-29, Technology="Thick Film", U/M=EA, VDC_V=75
R125: "RES, 27.4 k, 1%, 0.1 W, 0603", Manufacturer=Vishay-Dale, Power_W=0.1, Supplier Part Number 1=541-27.4KHCT-ND, TempCo="100 ppm/C", Tolerance_%=1, Value1=1%, Value2=0.1W, Value_Code=27k4, ValueDisplayed=27.4k, AEC Category=Q200, AEC Qualified=?, ComponentLink1Description="Datasheet link", ComponentLink1URL=http://www.vishay.com/docs/20035/dcrcwe3.pdf, CompType=Resistor, EIA_Code=E96, Green_EU RoHS="Passed with Exemption", Green_EU RoHS-2=Passed, Green_Lifecycle=Active, Green_REACh=Passed, LatestRevisionDate=2017-06-13, MountType=SMT, PackageReference=0603, PartNumber=CRCW060327K4FKEA, Published=2008-06-26, Publisher="Texas Instruments", Res_ohm=27400, RoHS=Y, SizeArea_mm2=1.28, SizeX_mm=1.6, SizeY_mm=0.8, SizeZ_mm=1, Supplier 1=Digi-Key, Supplier 2=Newark, Supplier 3=Mouser, Supplier Part Number 2=52K8346, Supplier Part Number 3=71-CRCW0603-27.4K-E3, SymbolVersion=2009-05-29, Technology="Thick Film", U/M=EA, VDC_V=75
S1: "Switch, Tactile, SPST-NO, 0.05A, 12V, SMD", CurrentRating_mA=50, Manufacturer=Panasonic, Supplier Part Number 1=P13597SCT-ND, Circuit=SPST, ComponentLink1Description="Datasheet URL", ComponentLink1URL=http://www.panasonic.net/id/ctlg/data/pdf/ATK0000/ATK0000PE76.pdf, CompType=Switch, LatestRevisionDate=2015-08-13, MountType=SMT, Orientation="Top Actuated", PackageReference="SMD, 2-Leads, Body 6x4mm", PartNumber=EVQPNF04M, PositionCount=1, Publisher="Texas Instruments", RoHS=Y, Supplier 1=Digi-Key, Supplier 2=Mouser, Supplier 3=Farnell, Supplier Part Number 2=667-EVQ-PNF04M, Supplier Part Number 3=2079482, SwitchFunction=Off-Mom, SymbolCreator=a0799628, SymbolVersion=2013-06-26, VDC_V=12
T1: library part TRNSFMR, "Transformer 469uH SMD", Manufacturer="Wurth Electronics Midcom", ComponentLink1Description="Datasheet Link", CompType=Transformer, MountType=SMT, PackageReference="10.05mm L x 6.73mm W", PartNumber=750342271, Publisher=TI, RoHS=Y, Supplier 1=Digi-Key
T2: library part CMP-0030718-1, "Transformer, 475uH, SMT", Manufacturer="Wurth Elektronik", Supplier Part Number 1=732-4458-1-ND, ValueDisplayed=475uH, ComponentLink1Description="Datasheet URL", ComponentLink1URL=http://katalog.we-online.de/ctm/datasheet/760390014.pdf, CompType=Transformer, DCR_ohm=0.31, Ind_H=475µH, LatestRevisionDate=2017-05-09, Lp=475, MountType=SMT, PackageReference="10.05x4.19x6.73 mm", PartNumber=760390014, Publisher="Texas Instruments", RoHS=Y, Supplier 1=Digi-Key, Supplier 2=Mouser, Supplier Part Number 2=710-760390014
TP1 TP2 TP3 TP4 TP5 TP6 TP7 TP8: "Test Point, Miniature, SMT", Manufacturer=Keystone, Supplier Part Number 1=36-5015TR-ND, ComponentLink1Description="Datasheet URL", ComponentLink1URL=http://www.keyelco.com/userAssets/store/files/5015.PDF, CompType="Test Point Loop", LatestRevisionDate=2016-02-11, MountType=SMT, PackageReference=Testpoint_Keystone_Miniature, PartNumber=5015, Publisher="Texas Instruments", RoHS=Y, Supplier 1=Digi-Key, Supplier 2=Mouser, Supplier Part Number 2=534-5015, SymbolVersion=2008-07-10
TP9 TP10 TP11 TP12 TP13 TP14 TP15 TP16 TP35 TP36 TP37 TP38 TP39 TP40 TP41 TP42 TP43 TP44 TP45 TP46: "Testpoint", Manufacturer="Texas Instruments", ComponentLink1Description="Datasheet Link", ComponentLink1URL="https://sps06.itg.ti.com/sites/KMS/crossdivteams/altium/docs/ComponentDatasheets/testpin with 750um Padsice and 450um drillhole.pdf", CompType=Pad, LatestRevisionDate=2017-05-23, MountType=TH, PackageReference="Test Point, 0.45mm hole size", PartNumber=TP_H0.45P0.75, Publisher="Texas Instruments", SymbolCreator=a0412235, SymbolVersion=2017-04-26
TP17 TP18 TP25: "Test Point, Miniature, White, TH", Color=White, Manufacturer=Keystone, Supplier Part Number 1=36-5002-ND, ComponentLink1Description="Datasheet URL", ComponentLink1URL=http://www.keyelco.com/userAssets/file/M60-2p60.pdf, CompType="Test Point Loop", ContactFinish=Silver, Green_EU RoHS=Passed, Green_EU RoHS-2=Passed, Green_Lifecycle=Active, Green_REACh=Passed, LatestRevisionDate=2017-05-11, MountType=TH, PackageReference="White Miniature Testpoint", PartNumber=5002, Publisher="Texas Instruments", RoHS=Y, Supplier 1=Digi-Key, Supplier 2=Newark, Supplier 3=Mouser, Supplier Part Number 2=82H9632, Supplier Part Number 3=534-5002, SymbolVersion=2008-04-04
TP19 TP20 TP21 TP22 TP23 TP24 TP49 TP50 TP51 TP52 TP53 TP54 TP55 TP56: library part CMP-0055152-1, "Test Point, Miniature, SMT", Manufacturer=Keystone, Supplier Part Number 1=36-5015TR-ND, CNHeader=FALSE, ComponentLink1Description="Datasheet URL", ComponentLink1URL=http://www.keyelco.com/userAssets/store/files/5015.PDF, CompType="Test Point", CT=TRUE, Green_EU RoHS=Passed, Green_EU RoHS-2=Incomplete, Green_Lifecycle=Active, Green_REACh=Passed, LatestRevisionDate=26/05/2017, MountType=SMT, PackageReference=Testpoint_Keystone_Miniature, PartNumber=5015, Publisher="Texas Instruments", RoHS=Y, Supplier 1=Digi-Key, Supplier 2=Mouser, Supplier Part Number 2=534-5015